# Altium PCB Cortes.PcbDoc (part 1 of 4) (continued)
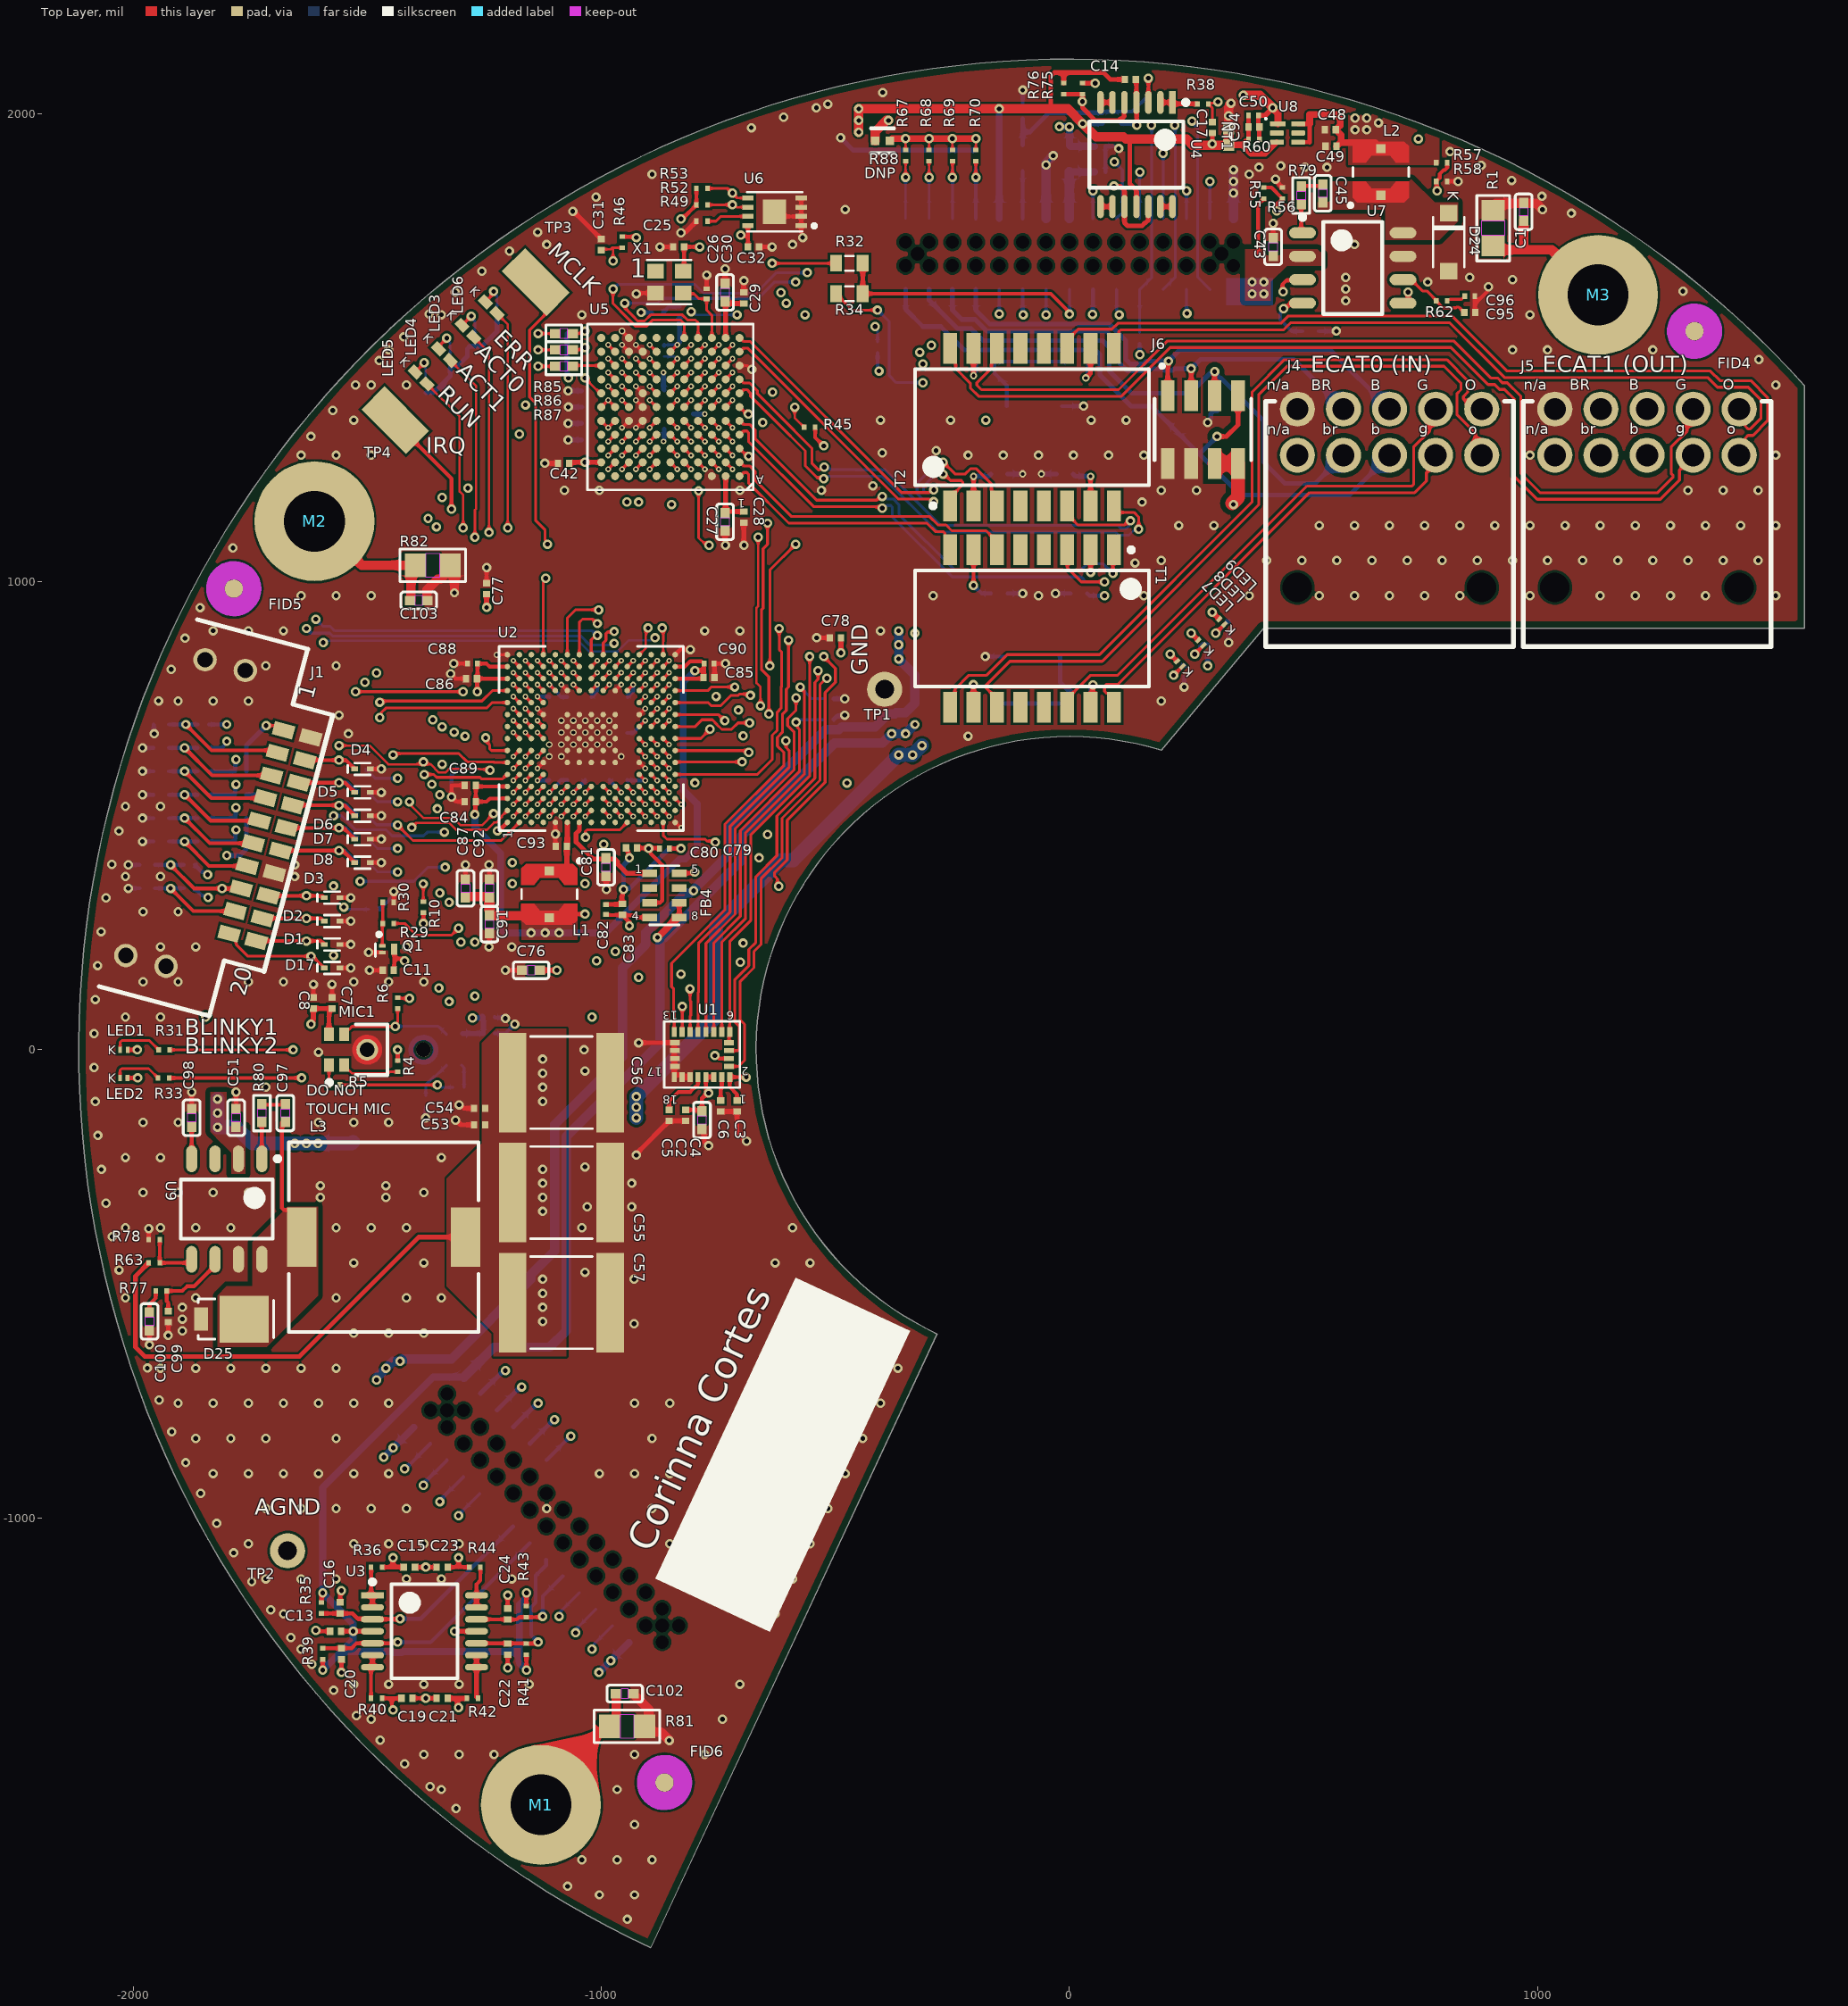
[diagram p0: Top Layer view]
## Components (designator, comment, footprint, x,y, rotation, side; value= is the part's Value field where it differs from the comment) (continued)
C87 "__Template_Cap" C0402 -1290.12,345.06 r90 top value=10UF
C88 "__Template_Cap" C0201 -1275,825 r180 top value=2.2UF
C89 "__Template_Cap_Auto" C0201Y -1280,565 r180 top value=0.1UF
C90 "__Template_Cap" C0201 -770,825 r0 top value=2.2UF
C91 "__Template_Cap" C0402 -1238.94,268.29 r90 top value=10UF
C92 "__Template_Cap" C0402 -1238.94,345.06 r270 top value=10UF
C93 "__Template_Cap" C0201Y -1085.39,434.63 r180 top value=220PF
C94 "__Template_Cap_Auto" C0201Y 394,1971 r180 top value=0.1UF
C95 "__Template_Cap" C0201Y 855,1575 r0 top value=3.3pF
C96 "__Template_Cap" C0201 855,1610 r0 top value=3.3nF
C97 "__Template_Cap" C0402 -1675,-135 r270 top value=0.1UF
C98 "__Template_Cap" C0402 -1875,-145 r90 top value=15nF
C99 "__Template_Cap" C0201Y -1925,-570 r90 top value=10pF
C100 "__Template_Cap" C0402 -1965,-580 r270 top value=3.9nF
C101 "__Template_Cap" C1210_H2.7mm -1530,-250 r270 bottom value=10uF
C102 "__Template_Cap" C0402 -950,-1375 r0 top value=0.01UF
C103 "__Template_Cap" C0402 -1390,960 r0 top value=0.01UF
D1 "3.3" SOD1060X40 -1575,225 r0 top value=ESD9R3.3ST5G
D2 "3.3" SOD1060X40 -1575,275 r0 top value=ESD9R3.3ST5G
D3 "3.3" SOD1060X40 -1575,325 r0 top value=ESD9R3.3ST5G
D4 "3.3" SOD1060X40 -1510,600 r0 top value=ESD9R3.3ST5G
D5 "3.3" SOD1060X40 -1510,550 r0 top value=ESD9R3.3ST5G
D6 "3.3" SOD1060X40 -1510,500 r0 top value=ESD9R3.3ST5G
D7 "3.3" SOD1060X40 -1510,450 r0 top value=ESD9R3.3ST5G
D8 "3.3" SOD1060X40 -1510,400 r0 top value=ESD9R3.3ST5G
D9 "3.3" SOD1060X40 -1940,695 r180 bottom value=ESD9R3.3ST5G
D10 "3.3" SOD1060X40 -1940,645 r180 bottom value=ESD9R3.3ST5G
D11 "3.3" SOD1060X40 -1940,595 r180 bottom value=ESD9R3.3ST5G
D12 "3.3" SOD1060X40 -1940,545 r180 bottom value=ESD9R3.3ST5G
D13 "3.3" SOD1060X40 -1940,495 r180 bottom value=ESD9R3.3ST5G
D14 "3.3" SOD1060X40 -1940,445 r180 bottom value=ESD9R3.3ST5G
D15 "3.3" SOD1060X40 -1970,395 r180 bottom value=ESD9R3.3ST5G
D16 "3.3" SOD1060X40 -1970,345 r180 bottom value=ESD9R3.3ST5G
D17 "3.3" SOD1060X40 -1575,175 r0 top value=ESD9R3.3ST5G
D18 "3.3" SOD1060X40 -100,2005 r90 bottom value=ESD9R3.3ST5G
D19 "3.3" SOD1060X40 -200,1905 r90 bottom value=ESD9R3.3ST5G
D20 "3.3" SOD1060X40 -250,1905 r90 bottom value=ESD9R3.3ST5G
D21 "3.3" SOD1060X40 -300,1905 r90 bottom value=ESD9R3.3ST5G
D22 "3.3" SOD1060X40 -350,1905 r90 bottom value=ESD9R3.3ST5G
D23 "24V" 3SOT23 275,1365 r0 bottom value=ESD24VS2UE6327HTSA1
D24 "__Template_DIODE_SCHOTTKY" SOD-123_H1.35MM 810,1725 r270 top value=B130LAW-7-F
D25 "__Template_Diode_Schottky_A/K" DO-220AA_A/K -1790,-575 r180 top value=SS3P6-M3/84A
FB1 "__Template_Ferrite_Bead" L0201_H0.33MM -832.93,1577.88 r270 bottom
FB2 "LAIRD MI0603L221R-10" INDC160X80X105L30N 0,1903.69 r270 bottom value="220 Ohms @ 100 MHz"
FB3 "LAIRD MI0603L221R-10" INDC160X80X105L30N -100,1905 r270 bottom value="220 Ohms @ 100 MHz"
FB4 "FB_ARRAY_BLA31AG221SN4D" FB_ARRAY_BLA31AG221SN4D -865,330 r0 top value="220 OHM"
FID1 "FIDUCIAL" FIDUCIAL_1MM 1355,1520 r180 bottom
FID2 "FIDUCIAL" FIDUCIAL_1MM -1775,980 r90 bottom
FID3 "FIDUCIAL" FIDUCIAL_1MM -865,-1600 r90 bottom
FID4 "FIDUCIAL" FIDUCIAL_1MM 1335,1535 r90 top
FID5 "FIDUCIAL" FIDUCIAL_1MM -1785,985 r90 top
FID6 "FIDUCIAL" FIDUCIAL_1MM -865,-1565 r90 top
J1 "" SAMTEC_TFM-110-02-L-DH -1835.28,491.77 r75 top locked
J2 "" HARWIN_M50-3151542 0,1700 r180 bottom
J3 "" HARWIN_M50-3151542 -1099.57,-1000 r315 bottom
J4 "MOLEX_2X5_NANOFIT_1053141210" MOLEX_1053141210 683.59,1270.16 r0 top
J5 "MOLEX_2X5_NANOFIT_1053141210" MOLEX_1053141210 1233.59,1270.16 r0 top
J6 "SAMTEC_FLE-104-01-G-DV-TR" SAMTEC_FLE-104-01-G-DV-TR 285,1325 r0 top
L1 "__Template_Inductor" IND_LPS3015-152MRB -1110.98,332.27 r270 top value=2.2uH
L2 "COILCRAFT_LPS3015-473" IND_LPS3015-152MRB 665,1875 r90 top
L3 "BOURNS_SRR1050A-180Y" INDP100100X51N -1465,-400 r0 top
LED1 "__Template_LED_YELLOW_AK" LED_APG0603SYC-TT -2019.73,0 r0 top value=APG0603SYC-TT
LED2 "__Template_LED_ORANGE_AK" LED_APG0603SYC-TT -2020,-60 r0 top value=APG0603SEC-TT
LED3 "__Template_LED_GREEN_AK" LED_APHHS1005LCGCK -1285,1535 r315 top value=APHHS1005LCGCK
LED4 "__Template_LED_GREEN_AK" LED_APHHS1005LCGCK -1335,1485 r315 top value=APHHS1005LCGCK
LED5 "__Template_LED_GREEN_AK" LED_APHHS1005LCGCK -1385,1435 r315 top value=APHHS1005LCGCK
LED6 "__Template_LED_RED_AK" LED_APHHS1005LCGCK -1235,1585 r315 top value=APHHS1005LSECK/J3-PF
LED7 "__Template_LED_YELLOW_AK" LED_APG0603SYC-TT 235.57,824.43 r135 top value=APG0603SYC-TT
LED8 "__Template_LED_ORANGE_AK" LED_APG0603SYC-TT 280.57,869.43 r135 top value=APG0603SEC-TT
LED9 "__Template_LED_ORANGE_AK" LED_APG0603SYC-TT 325.57,914.43 r135 top value=APG0603SEC-TT
M1 "3.7mm hole 5mm pad" 3.7hole5pad#1 -1129.13,-1612.6 r0 top
M2 "3.7mm hole 5mm pad" 3.7hole5pad#1 -1612.6,1129.13 r0 top
M3 "3.7mm hole 5mm pad" 3.7hole5pad#2 2525,-1730 r0 top
MIC1 "SPH0641LM4H-1" FP-SPH0641LM4H-1-MFG#1 -1527.95,0.16 r90 top
MIC2 "SPH0641LM4H-1" FP-SPH0641LM4H-1-MFG#2 -1352.05,0 r90 bottom
NT1 "_Template_NETTIE" NETTIE_0402 340,1950 r270 top net-tie
Q1 "NFET_DMN3900UFA" 3XDFN -1455,215 r0 top
R1 "" R0805 905,1755 r270 top value=432K
R2 "__Template_Resistor" R0201_H0.26MM -515,750 r180 bottom value=10K
R3 "__Template_Resistor" R0201_H0.26MM -515,705 r180 bottom value=10K
R4 "__Template_Resistor" R0201_H0.26MM -1435,-35 r90 top value=10K
R5 "__Template_Resistor" R0201_H0.26MM -1570,-75 r0 top value="49.9 OHM"
R6 "__Template_Resistor" R0201_H0.26MM -1435,100 r90 top value="49.9 OHM"
R7 "__Template_Resistor" R0201_H0.26MM -1305,-80 r180 bottom value="49.9 OHM"
R8 "__Template_Resistor" R0201_H0.26MM -1375,-110 r90 bottom value=10K
R9 "__Template_Resistor" R0201_H0.26MM -1295,600 r0 bottom value=10K
R10 "__Template_Resistor" R0201_H0.26MM -1380,305 r270 top value=10K
R11 "__Template_Resistor" R0201_H0.26MM -1770,445 r0 bottom value=10K
R12 "__Template_Resistor" R0201_H0.26MM -1770,495 r0 bottom value=10K
R13 "__Template_Resistor" R0201_H0.26MM -1770,595 r0 bottom value=10K
R14 "__Template_Resistor" R0201_H0.26MM -1850,695 r180 bottom value=22.1
R15 "__Template_Resistor" R0201_H0.26MM -1515,600 r0 bottom value=22.1
R16 "__Template_Resistor" R0201_H0.26MM -1850,645 r180 bottom value=22.1
R17 "__Template_Resistor" R0201_H0.26MM -1510,550 r0 bottom value=22.1
R18 "__Template_Resistor" R0201_H0.26MM -1850,595 r180 bottom value=22.1
R19 "__Template_Resistor" R0201_H0.26MM -1510,500 r0 bottom value=22.1
R20 "__Template_Resistor" R0201_H0.26MM -1850,545 r180 bottom value=22.1
R21 "__Template_Resistor" R0201_H0.26MM -1510,450 r0 bottom value=22.1
R22 "__Template_Resistor" R0201_H0.26MM -1850,495 r180 bottom value=22.1
R23 "__Template_Resistor" R0201_H0.26MM -1510,400 r0 bottom value=22.1
R24 "__Template_Resistor" R0201_H0.26MM -1850,445 r180 bottom value=22.1
R25 "__Template_Resistor" R0201_H0.26MM -1880,395 r180 bottom value=22.1
R26 "__Template_Resistor" R0201_H0.26MM -1880,345 r180 bottom value=22.1
R27 "__Template_Resistor" R0201_H0.26MM -1770,545 r180 bottom value=68
R28 "__Template_Resistor" R0201_H0.26MM -1485,300 r180 bottom value=10K
R29 "__Template_Resistor" R0201_H0.26MM -1455,270 r180 top value="22.1 OHM"
R30 "__Template_Resistor" R0201_H0.26MM -1455,315 r180 top value=10K
R31 "__Template_Resistor" R0201_H0.26MM -1933.52,0 r180 top value=1k
R32 "__Template_Resistor" R0603 -470,1680 r180 top value=0
R33 "__Template_Resistor" R0201_H0.26MM -1935,-60 r180 top value=1k
R34 "__Template_Resistor" R0603 -470,1615 r180 top value=0
R35 "__Template_Resistor" R0201_H0.26MM -1597.64,-1191.89 r90 top value=10K
R36 "__Template_Resistor" R0201_H0.26MM -1480,-1105 r0 top value=10K
R37 "__Template_Resistor" R0201_H0.26MM 110,1990 r270 bottom value=10K
R38 "__Template_Resistor" R0201_H0.26MM 285,2020 r0 top value=10K
R39 "__Template_Resistor" R0201_H0.26MM -1595,-1290 r270 top value=10K
R40 "__Template_Resistor" R0201_H0.26MM -1480,-1385 r0 top value=10K
R41 "__Template_Resistor" R0201_H0.26MM -1160,-1280 r270 top value=10K
R42 "__Template_Resistor" R0201_H0.26MM -1275,-1385 r180 top value=10K
R43 "__Template_Resistor" R0201_H0.26MM -1160,-1200 r90 top value=10K
R44 "__Template_Resistor" R0201_H0.26MM -1270,-1105 r180 top value=10K
R45 "__Template_Resistor" R0201_H0.26MM -555,1330 r0 top value=4.7K
R46 "__Template_Resistor" R0201_H0.26MM -955,1725 r90 top value=10K
R47 "__Template_Resistor" R0201_H0.26MM -1270,1515 r90 bottom value=1k
R48 "__Template_Resistor" R0201_H0.26MM -1322.47,1472.47 r90 bottom value=1k
R49 "__Template_Resistor" R0201_H0.26MM -785,1770 r0 top value=1k
R50 "" R0201 -880,1575 r0 bottom value=1
R51 "__Template_Resistor" R0201_H0.26MM -1375,1415 r90 bottom value=1k
R52 "__Template_Resistor" R0201_H0.26MM -785,1805 r180 top value=1k
R53 "__Template_Resistor" R0201_H0.26MM -785,1840 r180 top value=1k
R54 "__Template_Resistor" R0201_H0.26MM -1222.47,1572.47 r90 bottom value=1k
R55 "__Template_Resistor" R0201_H0.26MM 415,1830 r270 top value=68.1K
R56 "__Template_Resistor" R0201_H0.26MM 455,1830 r270 top value=10K
R57 "" R0201 795,1895 r180 top value=10.2K
R58 "" R0201 795,1855 r180 top value=1.96K
R59 "__Template_Resistor" R0201_H0.26MM 245,810 r270 bottom value=1k
R60 "__Template_Resistor" R0201_H0.26MM 394,1945 r0 top value=10K
R61 "__Template_Resistor" R0201_H0.26MM 295,855 r270 bottom value=1k
R62 "" R0201 795,1600 r180 top value=86.6K
R63 "" R0201 -1955,-455 r180 top value=10.2K
R64 "__Template_Resistor" R0201_H0.26MM 340,905 r270 bottom value=1k
R65 "__Template_Resistor" R0201_H0.26MM -410,1500 r270 bottom value=10K
R66 "__Template_Resistor" R0201_H0.26MM 150,1520 r270 bottom value=10K
R67 "__Template_Resistor" R0201_H0.26MM -350,1910 r90 top value=10K
R68 "__Template_Resistor" R0201_H0.26MM -300,1910 r90 top value=10K
R69 "__Template_Resistor" R0201_H0.26MM -250,1910 r90 top value=10K
R70 "__Template_Resistor" R0201_H0.26MM -200,1910 r90 top value=10K
R71 "" R0402 25,740 r0 bottom value=75
R72 "" R0402 -185,740 r180 bottom value=75
R73 "" R0402 -180,1470 r180 bottom value=75
R74 "" R0402 20,1470 r0 bottom value=75
R75 "__Template_Resistor" R0201_H0.26MM 27.6,2052.95 r90 top value=10K
R76 "__Template_Resistor" R0201_H0.26MM -12.4,2052.95 r270 top value=10K
R77 "" R0201 -1940,-515 r0 top value=13.3K
R78 "" R0201 -1955,-405 r0 top value=3.24K
R79 "" R0402 495,1825 r90 top value=0
R80 "" R0402 -1725,-135 r90 top value=0
R81 "" R0805 -945,-1445 r180 top value=432K
R82 "" R0805 -1360,1035 r180 top value=432K
R83 "" R0201 -1085,1530 r0 bottom value=2.2K
R84 "" R0201 -1085,1495 r0 bottom value=2.2K
R85 "" R0402 -1080,1530 r180 top value=0
R86 "" R0402 -1080,1495 r180 top value=0
R87 "" R0402 -1080,1460 r180 top value=0
R88 "DNP" FP-CRCW0402-e3-IPC_C -399.38,1941.7 r180 top
T1 "PULSE_H1102NL" PULSE_HXXXX -80,900 r270 top
T2 "PULSE_H1102NL" PULSE_HXXXX -80,1330 r90 top
TP1 "TEST_KEYSTONE5001" TP_KEYSTONE_5001 -395,770 r0 top
TP2 "TEST_KEYSTONE5001" TP_KEYSTONE_5001 -1670,-1070 r0 top
TP3 "KEYSTONE5015_NOSILK" KEYSTONE_5015_NS -1140,1640 r135 top
TP4 "KEYSTONE5015_NOSILK" KEYSTONE_5015_NS -1440,1345 r135 top
U1 "SENSOR_ST_LSM9DS1TR" LGA24RX8X4_350X100X102 -785,-10 r180 top
U2 "MCU_STM32H755IIK3" BGS201C65P15X15_1000X1000X60 -1021.42,664.94 r90 top
U3 "MCP6064" 14TSSOP65 -1377.64,-1241.89 r0 top
U4 "MCP6064" 14TSSOP65 142.95,1912.4 r270 top
U5 "PROCESSOR_TRINAMIC_TMC8462-BA" BGA121C75P11X11_900X900X145 -852.46,1373.04 r180 top
U6 "EEPROM_M24256-DRMF3TG/K" 8WFDFN300X200X80-8-TP -630,1790 r180 top
U7 "TI_TPS54331GDR" SOIC127P600X175-8N 605,1670 r0 top
U8 "TPS72733DSET" DES0006A_V 465.67,1958.31 r0 top
U9 "TI_TPS54331GDR" SOIC127P600X175-8N -1800,-340 r270 top
X1 "XTAL_SIT8924BM-72-33N-100.000000" XTAL_SIT8924BM-72-33N-100.000000 -855,1640 r0 top

## Footprints (in the part's own frame and the unit in brackets; to place one, negate y for a bottom-side part, rotate by r counter-clockwise, add the part's x,y. Pads: shape width x height; smd on the part's side, far side on the other; paste and mask are expansions set on the pad)
3.7hole5pad#1 [mm] "3.7mm hole with 5mm pad"
  round 6.5 hole 3.3 paste-2539.97 mask+0.051: 1(0,0)
3.7hole5pad#2 [mm] "3.7mm hole with 5mm pad"
  round 6.5 hole 3.3 paste-2539.97 mask+0.051: 1(-35.455,84.902)
3SOT23 [mm] "SOT23, 3-Leads, Body 3.0x2.6mm (max), Pitch 1.01mm, IPC High Density"
  rect 0.95x0.6 smd: 1(-1.025,0.95) 2(-1.025,-0.95) 3(1.025,0)
  silkscreen extent -1.15,-1.5 0.7,1.98, body extent -1.25,-1.5 1.25,1.5, height 1.01
3XDFN [mm] "DFN, 3-Leads, Body 0.80x0.60mm, Pitch 0.65mm, IPC Medium Density"
  rect 0.35x0.191 smd mask+0.05: 1(-0.325,0.175) 2(-0.325,-0.175)
  rect 0.35x0.6 smd mask+0.05: 3(0.325,0)
  silkscreen extent -0.7,-0.4 -0.4,0.9, body extent -0.33,-0.43 0.33,0.43, height 0.4
8WFDFN300X200X80-8-TP [mm]
  rect 0.61x0.27 smd mask+0.05: 1(-1.45,0.75) 2(-1.45,0.25) 3(-1.45,-0.25) 4(-1.45,-0.75) 5(1.45,-0.75) 6(1.45,-0.25) 7(1.45,0.25) 8(1.45,0.75)
  rect 1.25x1.35 smd mask+0.05: 9(0,0)
  silkscreen extent -2.25,-1.06 1.5,1.07, body extent -1.55,-1 1.55,1, height 0.8
14TSSOP65 [mm] "TSOP, 14-Leads, Body 5.1x4.5mm (max), Pitch 0.65mm, IPC High Density"
  rect 1.25x0.35 smd: 1(-2.825,1.95)
  oval 1.25x0.35 smd: 2(-2.825,1.3) 3(-2.825,0.65) 4(-2.825,0) 5(-2.825,-0.65) 6(-2.825,-1.3) 7(-2.825,-1.95) 8(2.825,-1.95) 9(2.825,-1.3) 10(2.825,-0.65) 11(2.825,0) 12(2.825,0.65) 13(2.825,1.3) 14(2.825,1.95)
  silkscreen extent -2.95,-2.55 1.8,2.8, body extent -3.2,-2.5 3.2,2.5, height 1.2
BGA121C75P11X11_900X900X145 [mil]
  round 17 smd paste-0.98 mask+1.97: A1(-147.64,147.64) A2(-118.11,147.64) A3(-88.58,147.64) A4(-59.06,147.64) A5(-29.53,147.64) A6(0,147.64) A7(29.53,147.64) A8(59.06,147.64) A9(88.58,147.64) A10(118.11,147.64) A11(147.64,147.64) B1(-147.64,118.11) B2(-118.11,118.11) B3(-88.58,118.11) B4(-59.06,118.11) B5(-29.53,118.11) B6(0,118.11) B7(29.53,118.11) B8(59.06,118.11) B9(88.58,118.11) B10(118.11,118.11) B11(147.64,118.11) C1(-147.64,88.58) C2(-118.11,88.58) C3(-88.58,88.58) C4(-59.06,88.58) C5(-29.53,88.58) C6(0,88.58) C7(29.53,88.58) C8(59.06,88.58) C9(88.58,88.58) C10(118.11,88.58) C11(147.64,88.58) D1(-147.64,59.06) D2(-118.11,59.06) D3(-88.58,59.06) D4(-59.06,59.06) D5(-29.53,59.06) D6(0,59.06) D7(29.53,59.06) D8(59.06,59.06) D9(88.58,59.06) D10(118.11,59.06) D11(147.64,59.06) E1(-147.64,29.53) E2(-118.11,29.53) E3(-88.58,29.53) E4(-59.06,29.53) E5(-29.53,29.53) E6(0,29.53) E7(29.53,29.53) E8(59.06,29.53) E9(88.58,29.53) E10(118.11,29.53) E11(147.64,29.53) F1(-147.64,0) F2(-118.11,0) F3(-88.58,0) F4(-59.06,0) F5(-29.53,0) F6(0,0) F7(29.53,0) F8(59.06,0) F9(88.58,0) F10(118.11,0) F11(147.64,0) G1(-147.64,-29.53) G2(-118.11,-29.53) G3(-88.58,-29.53) G4(-59.06,-29.53) G5(-29.53,-29.53) G6(0,-29.53) G7(29.53,-29.53) G8(59.06,-29.53) G9(88.58,-29.53) G10(118.11,-29.53) G11(147.64,-29.53) H1(-147.64,-59.06) H2(-118.11,-59.06) H3(-88.58,-59.06) H4(-59.06,-59.06) H5(-29.53,-59.06) H6(0,-59.06) H7(29.53,-59.06) H8(59.06,-59.06) H9(88.58,-59.06) H10(118.11,-59.06) H11(147.64,-59.06) J1(-147.64,-88.58) J2(-118.11,-88.58) J3(-88.58,-88.58) J4(-59.06,-88.58) J5(-29.53,-88.58) J6(0,-88.58) J7(29.53,-88.58) J8(59.06,-88.58) J9(88.58,-88.58) J10(118.11,-88.58) J11(147.64,-88.58) K1(-147.64,-118.11) K2(-118.11,-118.11) K3(-88.58,-118.11) K4(-59.06,-118.11) K5(-29.53,-118.11) K6(0,-118.11) K7(29.53,-118.11) K8(59.06,-118.11) K9(88.58,-118.11) K10(118.11,-118.11) K11(147.64,-118.11) L1(-147.64,-147.64) L2(-118.11,-147.64) L3(-88.58,-147.64) L4(-59.06,-147.64) L5(-29.53,-147.64) L6(0,-147.64) L7(29.53,-147.64) L8(59.06,-147.64) L9(88.58,-147.64) L10(118.11,-147.64) L11(147.64,-147.64)
  silkscreen extent -177,-177 177,177, body extent -177,-177 177,177, height 55
BGS201C65P15X15_1000X1000X60 [mm]
  round 0.3 smd mask+0.05: A1(-4.55,4.55) A2(-3.9,4.55) A3(-3.25,4.55) A4(-2.6,4.55) A5(-1.95,4.55) A6(-1.3,4.55) A7(-0.65,4.55) A8(0,4.55) A9(0.65,4.55) A10(1.3,4.55) A11(1.95,4.55) A12(2.6,4.55) A13(3.25,4.55) A14(3.9,4.55) A15(4.55,4.55) B1(-4.55,3.9) B2(-3.9,3.9) B3(-3.25,3.9) B4(-2.6,3.9) B5(-1.95,3.9) B6(-1.3,3.9) B7(-0.65,3.9) B8(0,3.9) B9(0.65,3.9) B10(1.3,3.9) B11(1.95,3.9) B12(2.6,3.9) B13(3.25,3.9) B14(3.9,3.9) B15(4.55,3.9) C1(-4.55,3.25) C2(-3.9,3.25) C3(-3.25,3.25) C4(-2.6,3.25) C5(-1.95,3.25) C6(-1.3,3.25) C7(-0.65,3.25) C8(0,3.25) C9(0.65,3.25) C10(1.3,3.25) C11(1.95,3.25) C12(2.6,3.25) C13(3.25,3.25) C14(3.9,3.25) C15(4.55,3.25) D1(-4.55,2.6) D2(-3.9,2.6) D3(-3.25,2.6) D4(-2.6,2.6) D5(-1.95,2.6) D6(-1.3,2.6) D7(-0.65,2.6) D8(0,2.6) D9(0.65,2.6) D10(1.3,2.6) D11(1.95,2.6) D12(2.6,2.6) D13(3.25,2.6) D14(3.9,2.6) D15(4.55,2.6) E1(-4.55,1.95) E2(-3.9,1.95) E3(-3.25,1.95) E4(-2.6,1.95) E12(2.6,1.95) E13(3.25,1.95) E14(3.9,1.95) E15(4.55,1.95) F1(-4.55,1.3) F2(-3.9,1.3) F3(-3.25,1.3) F4(-2.6,1.3) F6(-1.3,1.3) F7(-0.65,1.3) F8(0,1.3) F9(0.65,1.3) F10(1.3,1.3) F12(2.6,1.3) F13(3.25,1.3) F14(3.9,1.3) F15(4.55,1.3) G1(-4.55,0.65) G2(-3.9,0.65) G3(-3.25,0.65) G4(-2.6,0.65) G6(-1.3,0.65) G7(-0.65,0.65) G8(0,0.65) G9(0.65,0.65) G10(1.3,0.65) G12(2.6,0.65) G13(3.25,0.65) G14(3.9,0.65) G15(4.55,0.65) H1(-4.55,0) H2(-3.9,0) H3(-3.25,0) H4(-2.6,0) H6(-1.3,0) H7(-0.65,0) H8(0,0) H9(0.65,0) H10(1.3,0) H12(2.6,0) H13(3.25,0) H14(3.9,0) H15(4.55,0) J1(-4.55,-0.65) J2(-3.9,-0.65) J3(-3.25,-0.65) J4(-2.6,-0.65) J6(-1.3,-0.65) J7(-0.65,-0.65) J8(0,-0.65) J9(0.65,-0.65) J10(1.3,-0.65) J12(2.6,-0.65) J13(3.25,-0.65) J14(3.9,-0.65) J15(4.55,-0.65) K1(-4.55,-1.3) K2(-3.9,-1.3) K3(-3.25,-1.3) K4(-2.6,-1.3) K6(-1.3,-1.3) K7(-0.65,-1.3) K8(0,-1.3) K9(0.65,-1.3) K10(1.3,-1.3) K12(2.6,-1.3) K13(3.25,-1.3) K14(3.9,-1.3) K15(4.55,-1.3) L1(-4.55,-1.95) L2(-3.9,-1.95) L3(-3.25,-1.95) L4(-2.6,-1.95) L12(2.6,-1.95) L13(3.25,-1.95) L14(3.9,-1.95) L15(4.55,-1.95) M1(-4.55,-2.6) M2(-3.9,-2.6) M3(-3.25,-2.6) M4(-2.6,-2.6) M5(-1.95,-2.6) M6(-1.3,-2.6) M7(-0.65,-2.6) M8(0,-2.6) M9(0.65,-2.6) M10(1.3,-2.6) M11(1.95,-2.6) M12(2.6,-2.6) M13(3.25,-2.6) M14(3.9,-2.6) M15(4.55,-2.6) N1(-4.55,-3.25) N2(-3.9,-3.25) N3(-3.25,-3.25) N4(-2.6,-3.25) N5(-1.95,-3.25) N6(-1.3,-3.25) N7(-0.65,-3.25) N8(0,-3.25) N9(0.65,-3.25) N10(1.3,-3.25) N11(1.95,-3.25) N12(2.6,-3.25) N13(3.25,-3.25) N14(3.9,-3.25) N15(4.55,-3.25) P1(-4.55,-3.9) P2(-3.9,-3.9) P3(-3.25,-3.9) P4(-2.6,-3.9) P5(-1.95,-3.9) P6(-1.3,-3.9) P7(-0.65,-3.9) P8(0,-3.9) P9(0.65,-3.9) P10(1.3,-3.9) P11(1.95,-3.9) P12(2.6,-3.9) P13(3.25,-3.9) P14(3.9,-3.9) P15(4.55,-3.9) R1(-4.55,-4.55) R2(-3.9,-4.55) R3(-3.25,-4.55) R4(-2.6,-4.55) R5(-1.95,-4.55) R6(-1.3,-4.55) R7(-0.65,-4.55) R8(0,-4.55) R9(0.65,-4.55) R10(1.3,-4.55) R11(1.95,-4.55) R12(2.6,-4.55) R13(3.25,-4.55) R14(3.9,-4.55) R15(4.55,-4.55)
  silkscreen extent -5,-5 5,5, body extent -5,-5 5,5, height 0.6
C0201 [mm] "Chip Capacitor, 2-Leads, Body 0.6x0.3mm, IPC High Density"
  rect 0.26x0.32 smd mask+0.05: 1(-0.27,0) 2(0.27,0)
  body extent -0.31,-0.17 0.32,0.17, height 0.33
C0201Y [mm]
  rect 0.35x0.4 smd mask+0.05: 1(-0.3,0) 2(0.3,0)
  body extent -0.31,-0.17 0.32,0.17, height 0.33
C0402 [mil] "MODIFIED BY DN_TN - 12JUL21, CHECKED BY DN_AV - 19JUL21;ADDED 3D BY DN_QN - 24JUL21. CHECKED BY DN_AV - 25NOV21"
  rect 22x20 smd mask+1.97: 1(-19,0) 2(19,0)
  Top Layer keep-out region: -8,-9.84 8,-9.84 8,9.84 -8,9.84
  silkscreen extent -38,-18 38,18, body extent -20,-10 20,10, height 16
C1210 [mil] "CHECKED BY DN_QN - 17JAN20, CHECKED BY DN_AV - 23NOV21"
  rect 65x102.36 smd mask+1.97: 1(-62.5,0) 2(62.5,0)
  Top Layer keep-out region: -30,51 30,51 30,-51 -30,-51
  silkscreen extent -24,-53 24,53, body extent -73,-57 73,57, height 111
C1210_H2.7mm [mm]
  rect 1.1x2.6 smd mask+0.05: 1(-1.35,0) 2(1.35,0)
  silkscreen extent -0.55,-1.25 0.55,1.25, body extent -1.6,-1.25 1.6,1.25, height 2.7
C2220 [mm] "Chip Capacitor, 2-Leads, Body 5.7x5.0mm, IPC High Density"
  rect 1.5x5.4 smd mask+0.05: 1(-2.65,0) 2(2.65,0)
  silkscreen extent -1.68,-2.5 1.68,2.5, body extent -2.8,-2.5 2.8,2.5, height 2.54
DES0006A_V [mm] "SON, 6-Leads, Body 1.5x1.5mm, Pitch 0.5mm"
  rrect36% 0.85x0.28 smd: 1(-0.525,0.5)
  rrect36% 0.75x0.28 smd: 2(-0.575,0) 3(-0.575,-0.5) 4(0.575,-0.5) 5(0.575,0) 6(0.575,0.5)
  silkscreen extent -1.22,0.73 -1.12,0.82, body extent -0.75,-0.75 0.75,0.75, height 0.8
DO-220AA_A/K [mil]
  rect 30x50 smd mask+1.97: A(65,0)
  rect 105x100 smd mask+1.97: K(-27.5,0)
  silkscreen extent -90,-43 71,43, body extent -79,-43 79,43, height 45
FB_ARRAY_BLA31AG221SN4D [mm]
  rect 0.8x0.4 smd mask+0.05: 1(-0.8,1.2) 2(-0.8,0.4) 3(-0.8,-0.4) 4(-0.8,-1.2) 5(0.8,1.2) 6(0.8,0.4) 7(0.8,-0.4) 8(0.8,-1.2)
  silkscreen extent -0.8,-1.6 0.8,1.6, body extent -0.8,-1.6 0.8,1.6, height 1
FIDUCIAL_1MM [mm] "FIDUCIAL 1MM COPPER CIRCLE 3MM MASK PULLBACK"
  round 1 smd paste-1 mask+0.05: 1(0,0)
  Top Layer keep-out circle w1: c0,0 r1
  Top Solder keep-out region: 0,-1.38 -0.528,-1.275 -0.976,-0.976 -1.275,-0.528 -1.38,0 -1.38,0 -1.275,0.528 -0.976,0.976 -0.528,1.275 0,1.38 0,1.38 0.528,1.275 0.976,0.976 1.275,0.528 1.38,0 1.38,0 1.275,-0.528 0.976,-0.976 0.528,-1.275 0,-1.38
FP-CRCW0402-e3-IPC_C [mil]
  rect 18.43x18.6 smd paste+0 mask+0: 1(-15.83,0) 2(15.83,0)
  silkscreen extent -25,-27 25,27, body extent -29,-15 29,15, height 10
FP-SPH0641LM4H-1-MFG#1 [mm]
  rect 0.725x0.522 smd paste+0 mask+0: 1(-0.837,1.364) 2(-0.837,0.542) 4(0.837,0.542) 5(0.837,1.364)
  round 1.178 smd paste-1000 mask-1000: 3(-0.004,-0.71)
  round 0.8 hole 0.8 unplated paste-2539.97 mask+0: ""(0,-0.71)
  Top Layer circle w0.3: c0,-0.71 r0.663
  silkscreen extent -1.9,-1.8 1.38,1.47, body extent -1.88,-2.3 1.88,2.3, height 0.25
FP-SPH0641LM4H-1-MFG#2 [mm]
  rect 0.725x0.522 smd paste+0 mask+0: 1(-0.837,1.364) 2(-0.837,0.542) 4(0.837,0.542) 5(0.837,1.364)
  round 1.178 smd paste-1000 mask-1000: 3(0,-0.71)
  round 0.8 hole 0.8 unplated paste-2539.97 mask+0: ""(0,-0.71)
  Top Layer circle w0.3: c0,-0.71 r0.663
  silkscreen extent -1.9,-1.8 1.38,1.48, body extent -1.33,-1.75 1.33,1.75, height 1.08
HARWIN_M50-3151542 [mm]
  round 0 hole 0.71 unplated mask+0.02: 0(-8.89,-0.635) 0(-8.89,0.635) 0(-7.62,-0.635) 0(-7.62,0.635) 0(-6.35,-0.635) 0(-6.35,0.635) 0(-5.08,-0.635) 0(-5.08,0.635) 0(-3.81,-0.635) 0(-3.81,0.635) 0(-2.54,-0.635) 0(-2.54,0.635) 0(-1.27,-0.635) 0(-1.27,0.635) 0(0,-0.635) 0(0,0.635) 0(1.27,-0.635) 0(1.27,0.635) 0(2.54,-0.635) 0(2.54,0.635) 0(3.81,-0.635) 0(3.81,0.635) 0(5.08,-0.635) 0(5.08,0.635) 0(6.35,-0.635) 0(6.35,0.635) 0(7.62,-0.635) 0(7.62,0.635) 0(8.89,-0.635) 0(8.89,0.635)
  round 0 hole 0.75 unplated mask+0.05: 0(-8.255,0) 0(8.255,0)
  rect 0.8x1.556 smd mask+0.05: 1(-8.89,-2.019) 2(-8.89,2.019) 3(-7.62,-2.019) 4(-7.62,2.019) 5(-6.35,-2.019) 6(-6.35,2.019) 7(-5.08,-2.019) 8(-5.08,2.019) 9(-3.81,-2.019) 10(-3.81,2.019) 11(-2.54,-2.019) 12(-2.54,2.019) 13(-1.27,-2.019) 14(-1.27,2.019) 15(0,-2.019) 16(0,2.019) 17(1.27,-2.019) 18(1.27,2.019) 19(2.54,-2.019) 20(2.54,2.019) 21(3.81,-2.019) 22(3.81,2.019) 23(5.08,-2.019) 24(5.08,2.019) 25(6.35,-2.019) 26(6.35,2.019) 27(7.62,-2.019) 28(7.62,2.019) 29(8.89,-2.019) 30(8.89,2.019)
  silkscreen extent -9.72,-1.7 9.72,1.7, body extent -9.72,-2.25 9.71,2.25, height 2.2
IND_LPS3015-152MRB [mm]
  rect 0.5x0.5 smd mask+0.05: 1(-1.27,0) 2(1.27,0)
  Top Layer region: 1.65,-1.27 1.395,-1.525 0.51,-1.525 0.51,-0.825 0.89,-0.51 0.89,0.51 0.51,0.825 0.51,1.525 1.395,1.525 1.65,1.27
  Top Layer region: -1.65,1.27 -1.395,1.525 -0.51,1.525 -0.51,0.825 -0.89,0.51 -0.89,-0.51 -0.51,-0.832 -0.51,-1.525 -1.395,-1.525 -1.65,-1.27
  silkscreen extent -1.91,-1.51 0.25,1.75, body extent -1.51,-1.52 1.52,1.51, height 1.5
INDC160X80X105L30N [mm] "Chip Inductor, 2-Leads, Body 1.60x0.80mm, IPC Medium Density"
  rect 0.77x0.98 smd: 1(-0.715,0) 2(0.715,0)
  body extent -0.88,-0.48 0.87,0.48, height 1.05
INDP100100X51N [mm] "Precision Wire Wound Inductor, 2-Leads, Body 10.00x10.00mm, IPC Medium Density"
  rect 1.6x3.2 smd: 1(-4.45,0) 2(4.45,0)
  silkscreen extent -5.15,-5.15 5.15,5.15, body extent -5.1,-5 5.1,5, height 5.2
KEYSTONE_5015_NS [mm] "Test Point Loop; 2.67 mm L X 1.02 mm W X 1.52 mm H body"
  rect 3.43x1.78 smd mask+0.051: 1(0,0)
  body extent -1.33,-0.51 1.33,0.51, height 1.52
L0201_H0.33MM [mm]
  rect 0.3x0.4 smd mask+0.05: 1(-0.24,0) 2(0.24,0)
  body extent -0.3,-0.18 0.3,0.18, height 0.33
LED_APG0603SYC-TT [mm]
  rect 0.2x0.35 smd mask+0.05: A(0.2,0) K(-0.2,0)
  body extent -0.32,-0.17 0.33,0.18, height 0.25
LED_APHHS1005LCGCK [mm]
  rect 0.7x0.5 smd mask+0.05: A(0.45,0) K(-0.45,0)
  body extent -0.5,-0.25 0.5,0.25, height 0.49
LGA24RX8X4_350X100X102 [mm]
  rect 0.28x0.53 smd mask+0.05: 1(-1.505,1.22) 6(-1.505,-1.22) 7(-1.075,-1.22) 8(-0.645,-1.22) 9(-0.215,-1.22) 10(0.215,-1.22) 11(0.645,-1.22) 12(1.075,-1.22) 13(1.505,-1.22) 18(1.505,1.22) 19(1.075,1.22) 20(0.645,1.22) 21(0.215,1.22) 22(-0.215,1.22) 23(-0.645,1.22) 24(-1.075,1.22)
  rect 0.53x0.28 smd mask+0.05: 2(-1.47,0.645) 3(-1.47,0.215) 4(-1.47,-0.215) 5(-1.47,-0.645) 14(1.47,-0.645) 15(1.47,-0.215) 16(1.47,0.215) 17(1.47,0.645)
  silkscreen extent -2.05,-1.8 2.05,1.8, body extent -1.75,-1.5 1.75,1.5, height 1.03
MOLEX_1053141210 [mm]
  round 0 hole 1.6 unplated: 0(-5,-7.18) 0(5,-7.18)
  round 1.9 hole 1.2: 1(5,2.5) 2(2.5,2.5) 3(0,2.5) 4(-2.5,2.5) 5(-5,2.5) 6(5,0) 7(2.5,0) 8(0,0) 9(-2.5,0) 10(-5,0)
  silkscreen extent -6.72,-10.38 6.72,2.92, body extent -6.72,-11.77 6.72,2.88, height 9.15
NETTIE_0402 [mm]
  rect 0.62x0.62 smd paste-0.62 mask-0.62: 1(-0.45,0) 2(0.45,0)
  Top Layer region: -0.178,-0.27 0.178,-0.27 0.178,0.27 -0.178,0.27
PULSE_HXXXX [mm] "SOP, 16-Leads, Body 12.70x7.11mm, Pitch 1.27mm, IPC Medium Density"
  rect 1.67x0.76 smd: 1(-4.265,4.445) 2(-4.265,3.175) 3(-4.265,1.905) 4(-4.265,0.635) 5(-4.265,-0.635) 6(-4.265,-1.905) 7(-4.265,-3.175) 8(-4.265,-4.445) 9(4.265,-4.445) 10(4.265,-3.175) 11(4.265,-1.905) 12(4.265,-0.635) 13(4.265,0.635) 14(4.265,1.905) 15(4.265,3.175) 16(4.265,4.445)
  silkscreen extent -4.39,-6.35 3.15,6.35, body extent -4.76,-6.35 4.76,6.35, height 5.97
R0201 [mm] "Chip Resistor, 2-Leads, Body 0.6x0.3mm, IPC High Density"
  rect 0.25x0.3 smd mask+0.05: 1(-0.3,0) 2(0.3,0)
  body extent -0.3,-0.15 0.3,0.15, height 0.23
R0201_H0.26MM [mm]
  rect 0.25x0.3 smd mask+0.05: 1(-0.3,0) 2(0.3,0)
  body extent -0.3,-0.15 0.3,0.15, height 0.23
R0402 [mil] "MODIFIED BY DN_TN - 12JUL21, CHECKED BY DN_AV - 19JUL21;ADDED 3D BY DN_QN - 24JUL21, CHECKED BY DN_AV - 25NOV21;"
  rect 22x20 smd mask+1.97: 1(-19,0) 2(19,0)
  Top Layer keep-out region: -8,9.84 8,9.84 8,-9.84 -8,-9.84
  silkscreen extent -38,-18 38,18, body extent -20,-10 20,10, height 16
R0603 [mm] "Chip Resistor, 2-Leads, Body 1.6x0.8mm, IPC High Density"
  rect 0.65x0.9 smd mask+0.05: 1(-0.725,0) 2(0.725,0)
  silkscreen extent -0.23,-0.4 0.23,0.4, body extent -0.8,-0.4 0.8,0.4, height 0.45
R0805 [mil] "FP FROM ACRONICS LIB"
  rect 45x50 smd mask+1.97: 1(-37.5,0) 2(37.5,0)
  Top Layer keep-out region: -15,-25 15,-25 15,25 -15,25
  silkscreen extent -70,-35 70,35, body extent -39,-25 39,25, height 31
SAMTEC_FLE-104-01-G-DV-TR [mm]
  rect 0.74x1.675 smd: 1(-1.905,1.843) 2(-1.905,-1.843) 3(-0.635,1.843) 4(-0.635,-1.843) 5(0.635,1.843) 6(0.635,-1.843) 7(1.905,1.843) 8(1.905,-1.843)
  silkscreen extent -2.63,-1.67 2.63,3.54, body extent -2.6,-2.3 2.6,2.3, height 4.57
SAMTEC_TFM-110-02-L-DH [mil]
  rect 29x45 smd mask+1.97: 1(225,-101.91) 2(225,-161.91) 3(175,-101.91) 4(175,-161.91) 5(125,-101.91) 6(125,-161.91) 7(75,-101.91) 8(75,-161.91) 9(25,-101.91) 10(25,-161.91) 11(-25,-101.91) 12(-25,-161.91) 13(-75,-101.91) 14(-75,-161.91) 15(-125,-101.91) 16(-125,-161.91) 17(-175,-101.91) 18(-175,-161.91) 19(-225,-101.91) 20(-225,-161.91)
  round 50 hole 33 mask+3: MH1(327,99.09) MH2(327,10.09) MH3(-327,99.09) MH4(-327,10.09)
  silkscreen extent -405,-195 405,137, body extent -385,-177 386,177, height 238
SOD1060X40 [mm]
  rect 0.36x0.25 smd mask+0.051: A(0.42,0) K(-0.42,0)
  silkscreen extent -0.8,-0.33 0.43,0.33, body extent -0.43,-0.33 0.43,0.33, height 0.4
SOD-123_H1.35MM [mm]
  rect 0.9x0.95 smd mask+0.051: A(1.575,0) K(-1.575,0)
  silkscreen extent -1.35,-0.85 1.35,0.85, body extent -1.85,-0.77 1.85,0.78, height 1.26
SOIC127P600X175-8N [mm] "SOIC, 8-Leads, Body 4.90x3.90mm, Pitch 1.27mm, IPC Medium Density"
  oval 1.45x0.6 smd: 1(-2.725,1.905) 2(-2.725,0.635) 3(-2.725,-0.635) 4(-2.725,-1.905) 5(2.725,-1.905) 6(2.725,-0.635) 7(2.725,0.635) 8(2.725,1.905)
  silkscreen extent -2.85,-2.5 1.6,2.88, body extent -3,-2.5 3,2.5, height 1.75
TP_KEYSTONE_5001 [mil]
  round 75 hole 40: 1(0,0)
  body extent -50,-50 50,50, height 191
XTAL_SIT8924BM-72-33N-100.000000 [mm]
  rect 0.9x0.8 smd mask+0.05: 1(-0.75,0.6) 2(-0.75,-0.6) 3(0.75,-0.6) 4(0.75,0.6)
  silkscreen extent -1.2,-1.2 1.2,1.2, body extent -0.8,-1 0.8,1, height 0.8

## Part data
C1 C60 C61 C62 C63 C102 C103: library part 625, "CAP, CER, X7R, 0.01uF, 50V, 20%, 0402, 0.56mm T", Dielectric=X7R, Package=0402, Tolerance=20%, Voltage=50V, COMMON=150-00227-00, ComponentLink1Description=Datasheet, EES=150-04592-00, Gecko=150-00227-00, Height="0.56mm T", ID=625, LOON=150-00227-00, MFG=KEMET, MFG P/N=C0402C103M5RACTU, Status=Released, XPN=150-00227-00
C2 C3 C6 C7 C9 C11 C13 C14 C15 C16 C17 C18 C19 C20 C21 C22 C23 C24 C25 C28 C29 C33 C34 C35 C36 C37 C38 C39 C40 C41 C42 C48 C54 C58 C59 C66 C67 C68 C69 C70 C71 C72 C73 C74 C75 C80 C84 C85 C86 C89 C94: library part 934, "CAP, CER, X6S, 0.1uF, 10V, 10%, 0201, AUTOGRADE", Dielectric=X6S, Package=0201, Supplier Part Number 1=490-12232-1-ND, Tolerance=10%, Voltage=10V, COMMON=150-01178-00, ComponentLink1Description=Datasheet, ComponentLink1URL=https://search.murata.co.jp/Ceramy/image/img/A01X/G101/ENG/GRT033C81A104KE01-01.pdf, EES=150-04563-00, Gecko=150-04546-00, Height="0.33mm T", HelpURL=https://www.digikey.com/product-detail/en/murata-electronics/GRT033C81A104KE01D/490-12232-1-ND/5416933, ID=934, LOON=150-01178-00, MFG=MURATA, MFG P/N=GRT033C81A104KE01D, Status=Released, Supplier 1=Digi-key, XPN=150-01178-00
C4 C27 C30 C76 C87 C91 C92: library part 215, "CAP, CER, X5R, 10uF, 10V, 20%, 0402, 0.7mm T", Dielectric=X5R, Package=0402, Tolerance=20%, Voltage=10V, COMMON=150-00376-00, ComponentLink1Description=Datasheet, EES=150-04565-00, Gecko=150-00376-00, Height="0.7mm T", ID=215, LOON=150-00376-00, MFG=SAMSUNG, MFG P/N=CL05A106MP5NUNC, PROXY="Use ID #1342", Status=Released, XPN=150-00376-00
C5: library part 1238, "CAP, CER, X5R, 0.01uF, 16V, 10%, 0201, 0.33mm T", Dielectric=X5R, Package=0201, Tolerance=10%, Voltage=16V, COMMON=150-00126-00, ComponentLink1Description=Datasheet, EES=150-04566-00, Gecko=150-00126-00, Height="0.33mm T", ID=1238, LOON=150-00126-00, MFG=MURATA, MFG P/N=GRM033R61C103KA12D, Status=Released, XPN=150-00126-00
C8 C10 C93: library part 156, "CAP, CER, X7R, 220pF, 16V, 10%, 0201, 0.33mm T", Dielectric=X7R, Package=0201, Tolerance=10%, Voltage=16V, COMMON=150-00794-00, ComponentLink1Description=Datasheet, EES=150-04568-00, Gecko=150-00794-00, Height="0.33mm T", ID=156, LOON=150-00794-00, MFG=MURATA, MFG P/N=GRM033R71C221KA01D, Status=Released, XPN=150-00794-00
C12 C78: library part 767, "CAP, CER, X7R, 100pF, 25V, 10%, 0201, 0.33mm T", Dielectric=X7R, Package=0201, Tolerance=10%, Voltage=25V, COMMON=150-00022-00, ComponentLink1Description=Datasheet, EES=150-04573-00, Gecko=150-00022-00, Height="0.33mm T", ID=767, LOON=150-00022-00, MFG=MURATA, MFG P/N=GRM033R71E101KA01D, Status=Released, XPN=150-00022-00
C26: library part 1033, "CAP, CER, NP0, 15pF, 25V, 5%, 0201, 0.9mm T", Dielectric=NP0, Package=0201, Tolerance=5%, Voltage=25V, COMMON=150-00968-00, ComponentLink1Description=Datasheet, EES=150-04578-00, Gecko=150-00968-00, Height="0.9mm T", ID=1033, LOON=150-00968-00, MFG=TDK, MFG P/N=C0603C0G1E150J030BA, Status=NRND, XPN=150-00968-00
C31 C32 C49 C53 C77 C83: library part 361, "CAP, CER, X7R, 0.01uF, 10V, 10%, AUTO GRADE, 0201, 0.33mm T", Dielectric=X7R, Package=0201, Tolerance=10%, Voltage=10V, COMMON=150-01021-00, ComponentLink1Description=Datasheet, EES=150-04564-00, Gecko=150-01021-00, Height="0.33mm T", ID=361, LOON=150-01021-00, MFG=MURATA, MFG P/N=GCM033R71A103KA03D, Status=Released, XPN=150-01021-00
C43 C45 C51 C97: library part 1762, "CAP, CER, X5R, 0.1uF, 10%, 50V, 0402, 0.55mm", Dielectric=X5R, Package=0402, Supplier Part Number 1=311-3342-1-ND, Tolerance=10%, Voltage=50V, ComponentLink1Description=Datasheet, ComponentLink1URL=http://www.yageo.com/documents/recent/UPY-GPHC_X5R_4V-to-50V_25.pdf, EES=150-04581-00, EPIC=G150-02449-00, Height=0.55mm, HelpURL=https://www.digikey.com/product-detail/en/yageo/CC0402KRX5R9BB104/311-3342-1-ND/6818312, ID=1762, MFG=YAGEO, MFG P/N=CC0402KRX5R9BB104, Status=Released, Supplier 1=Digi-Key
C44 C101: library part 1813, "CAP, CER, X5R, 10uF, 50V, 20%, 1210", Dielectric=X5R, Package=1210, Supplier Part Number 1=587-2225-1-ND, Tolerance=20%, Voltage=50V, ComponentLink1Description=Datasheet, ComponentLink1URL=https://media.digikey.com/pdf/Data%20Sheets/Taiyo%20Yuden%20PDFs%20URL%20links/UMK325BJ106MM-T_Spec.pdf, EES=150-04569-00, Gecko=150-04488-00, Height=2.7mm, HelpURL=https://www.digikey.com/product-detail/en/taiyo-yuden/UMK325BJ106MM-T/587-2225-1-ND/2002923, ID=1813, MFG="TAIYO YUDEN", MFG P/N=UMK325BJ106MM-T, Status=Released, Supplier 1=Digi-Key